# Altium PCB Bidir_Active_Rectifier-Main_Board.PcbDoc (part 3 of 3)
Units mm, origin at the board's own origin, x right, y up, seen from the top; angles counter-clockwise.
Board outline 95 x 135 mm, 2 copper layers (Top Layer, Bottom Layer), stack 1.641 mm thick; 308 components, 176 nets, 905 pads, 591 vias.
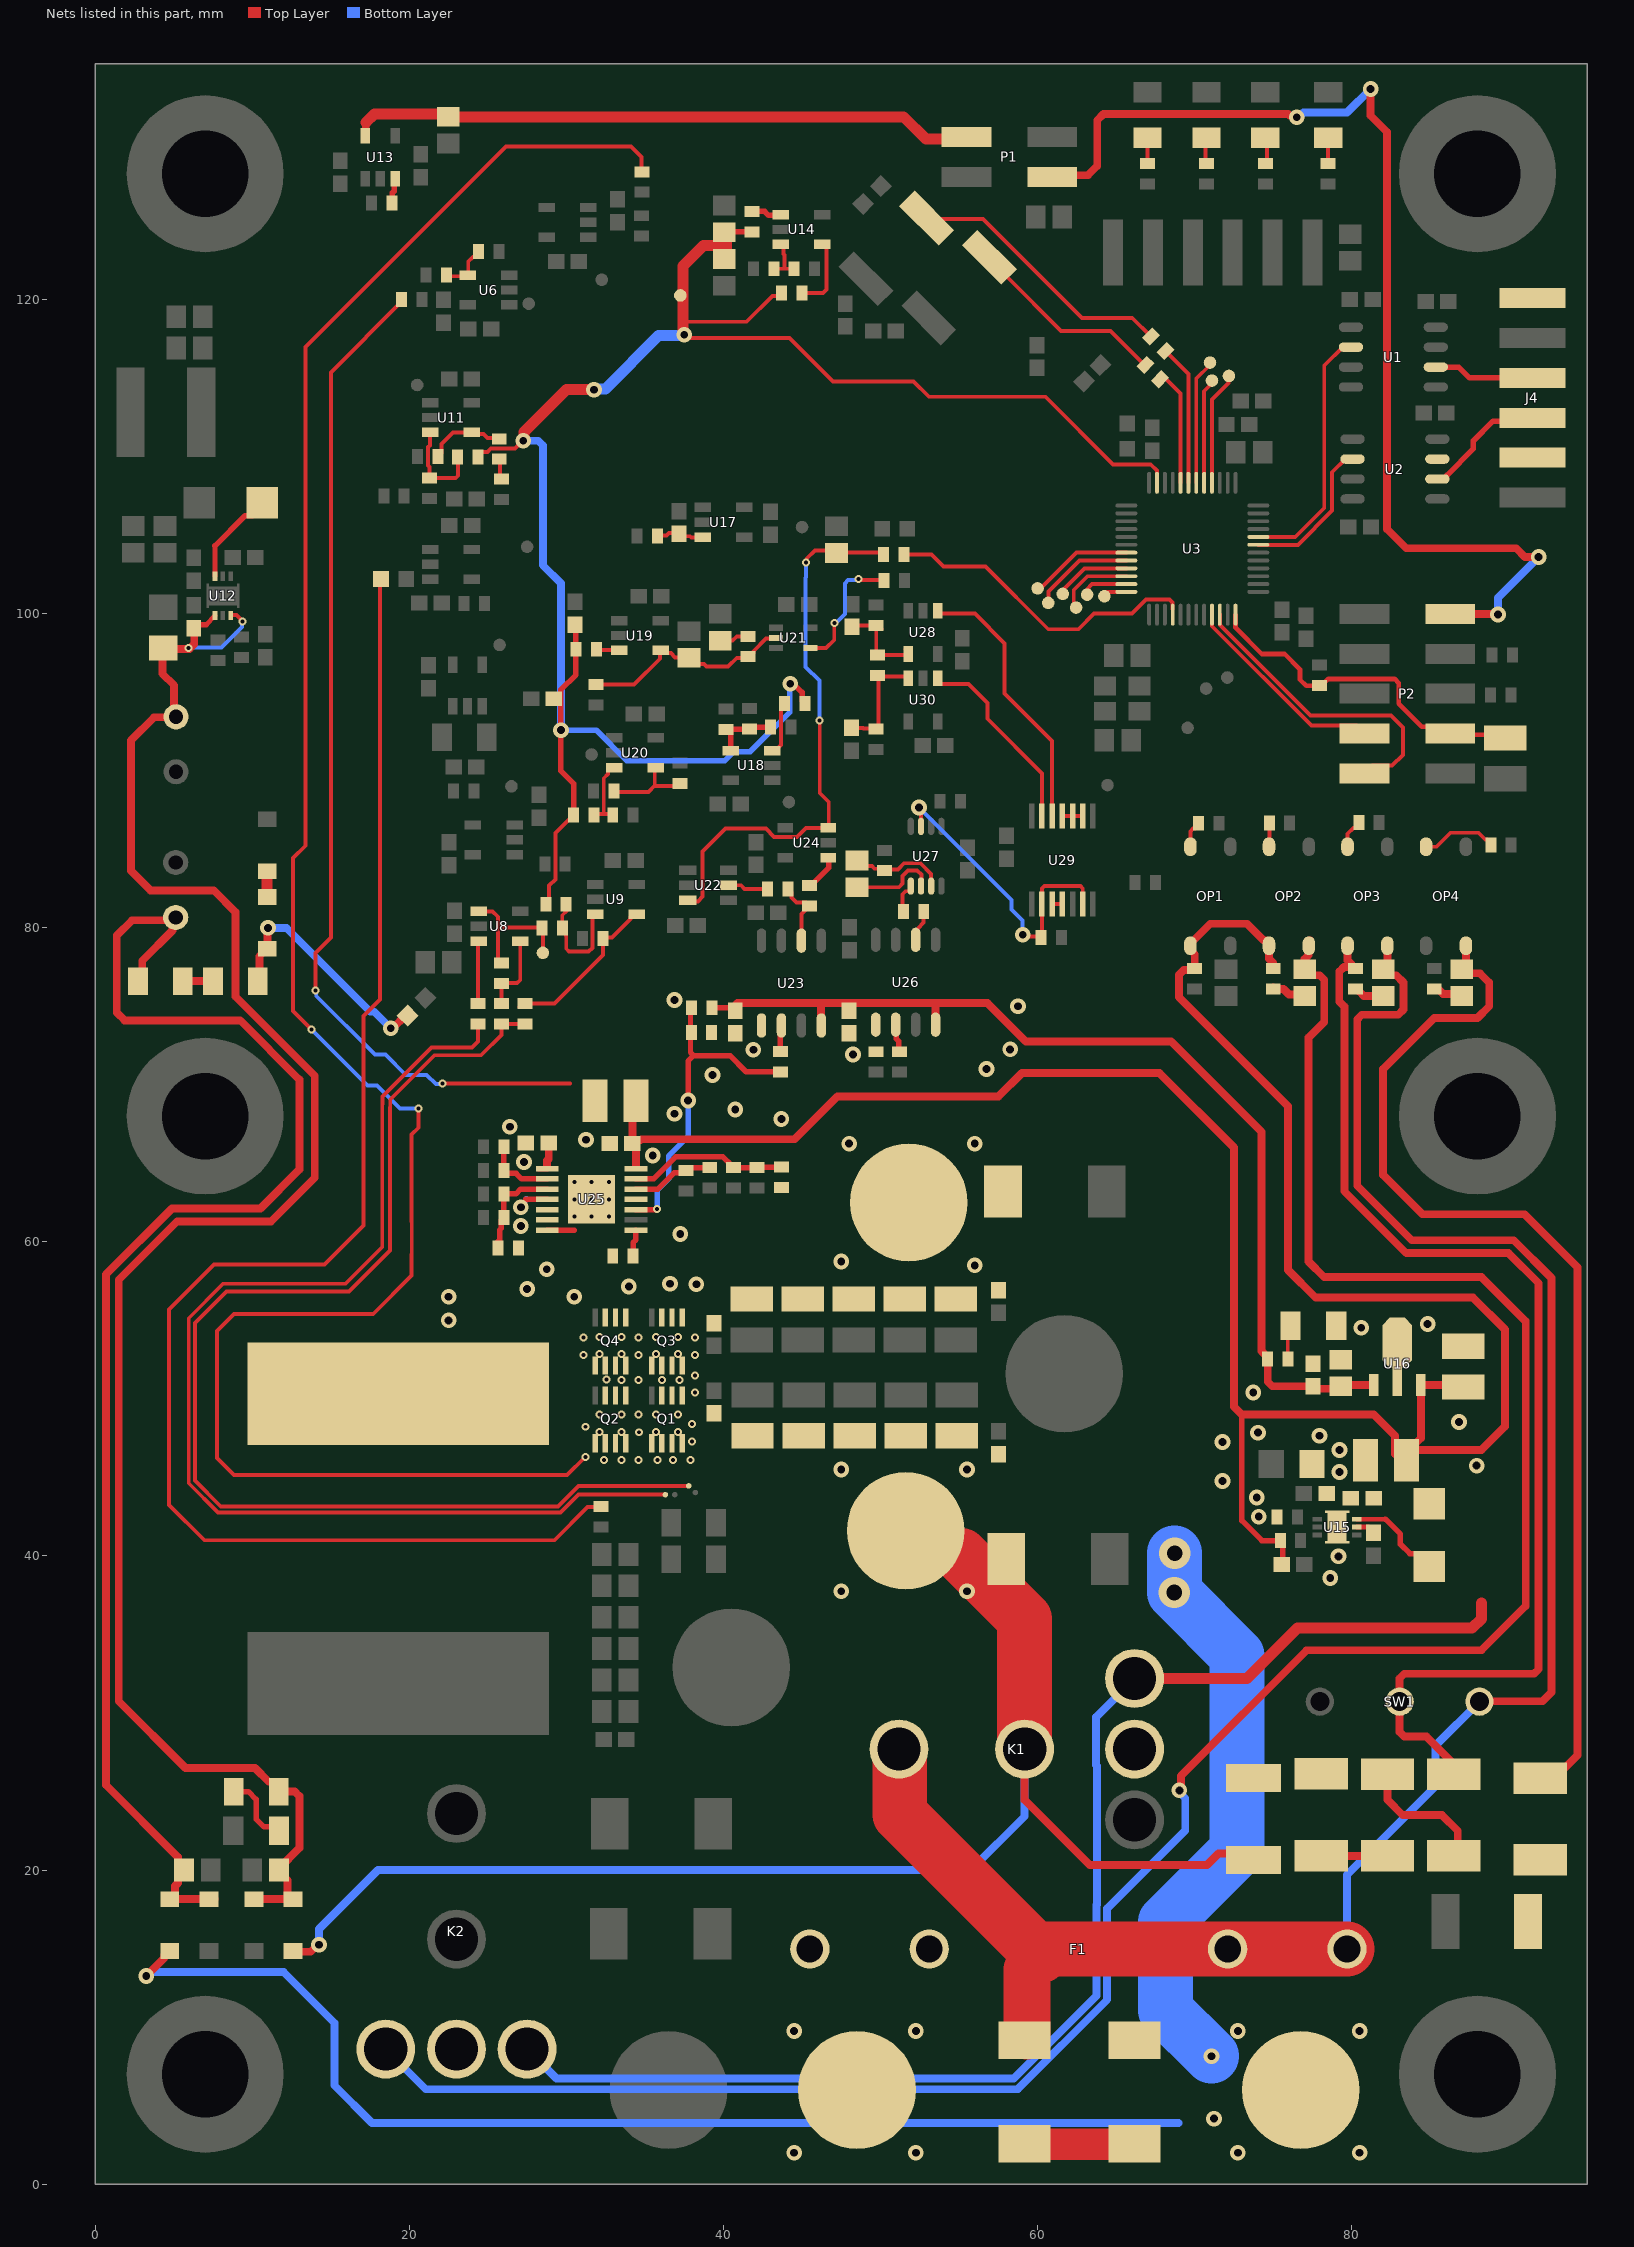
[diagram p3: the nets of this part, all layers, seen from the top]

## Via types
v1: diameter 0.508, hole 0.254, Top Layer to Bottom Layer, tented both sides, 300 vias
v2: diameter 1, hole 0.5, Top Layer to Bottom Layer, tented both sides, 283 vias
v3: diameter 1, hole 0.5, Top Layer to Bottom Layer, tented bottom, 5 vias
v4: diameter 2, hole 1, Top Layer to Bottom Layer, tented both sides, 2 vias
v5: diameter 0.508, hole 0.254, Top Layer to Bottom Layer, tented bottom, 1 vias

## Nets (pads, with @x,y where several pads share a name; then routed paths per layer and width w, separated by ;. In a path a pad name is that pad's centre, name@x,y a point inside that pad or via, vN(x,y) a via of type N, cw(c..) or ccw(c..) an arc to the next point about the centre after c; other vN are vias at no path point) (continued)
NetC84_1: C84.1 R49.1 | length 2.2
  Top Layer w0.5: R49.1@75,76.2 75.1,76.1 75.65,76.1 76,75.75 76.9,75.75 C84.1@77,75.65
NetC84_2: C84.2 K2.86 OP2.4 | length 147.2
  Top Layer w0.5: v2(69.025,25.075) 69.121,25.171 69.121,25.996 77.125,34 88.25,34 91.073,36.823 91.073,54.927 91.055,54.945 91.055,54.952 88.257,57.75 78.25,57.75 77.25,58.75 77.25,73 78.25,74 78.25,76.682 77.957,76.975 77.375,76.975 C84.2@77,77.35 ; C84.2@77,77.5 77,78 77.25,78.25 77.25,78.83 OP2.4@77.27,78.85 ; OP2.4@77.31,79.199 OP2.4@77.34,79.199
  Bottom Layer w0.5: K2.86@18.5,8.6 21.05,6.05 58.723,6.05 58.746,6.073 58.749,6.073 64.427,11.751 64.427,17.552 69.4,22.525 69.4,24.565 69.025,24.94 v2(69.025,25.075)
NetC85_1: C85.1 R54.1 | length 2
  Top Layer w0.5: R54.1@85.475,76.125 85.818,75.782 86.525,75.782 86.868,75.782 C85.1@87,75.65 ; C85.1@86.525,75.66 86.627,75.762 C85.1@86.772,75.762
NetC85_2: C85.2 OP4.4 R53.2 | length 67.9
  Top Layer w0.5: OP4.4@87.27,78.85 87.27,77.62 C85.2@87,77.35 87.255,77.095 88.155,77.095 88.75,76.5 88.75,75 88,74.25 85.25,74.25 82,71 82,64.25 84.5,61.75 91,61.75 94.369,58.381 94.369,27.313 R53.2@93.193,26.137
NetC86_1: C86.1 R55.1 | length 2
  Top Layer w0.5: R55.1@80.25,76.1 80.375,76.1 80.475,76 80.475,75.943 80.768,75.65 C86.1@82,75.65
NetC86_2: C86.2 F1.2 K1.30 OP3.4 SW1.COM TVS2.1 | length 125.7
  Top Layer w0.5: C86.2@82,77.35 82.375,76.975 82.837,76.975 83.299,76.513 83.299,74.787 82.963,74.451 80.645,74.451 80.352,74.158 80.352,63.567 83.817,60.102 90.317,60.102 92.721,57.698 92.721,31.321 92.15,30.75 SW1.COM@88.13,30.75 ; C86.2@82.27,77.62 OP3.4@82.27,78.85
  Top Layer w3: TVS2.1@59.325,9.45 59.325,13.675 60.625,14.975
  Top Layer w3.5: K1.30@51.175,27.7 51.223,27.652 51.223,23.527 60.2,14.55 ; 60.625,14.975 F1.2@72.1,14.975 F1.2@79.7,14.975
  Bottom Layer w0.5: F1.2@79.7,14.975 79.7,19.7 85.33,25.33 85.33,27.925 SW1.COM@88.13,30.725
NetC87_2: C87.2 R56.1 U17.3 | length 3
  Top Layer w0.25: R56.1@35.8,104.925 35.854,104.979 36.379,104.979 36.525,105.125 37.175,105.125 37.379,104.921 37.879,104.921 37.95,104.85 38.6,104.85 U17.3@38.625,104.825
NetC88_1: C88.1 R67.2 | length 1.9
  Top Layer w0.25: C88.1@39.8,98.2 39.875,98.275 40.575,98.275 40.846,98.546 41.546,98.546 R67.2@41.55,98.55
NetC89_1: C89.1 R62.2 R67.1 U19.4 U21.2 | length 13.7
  Top Layer w0.25: R62.2@32.075,95.475 34.3,95.475 35.946,97.121 35.946,97.696 U19.4@36,97.75 ; U19.4@36,97.65 36.175,97.475 36.65,97.475 36.925,97.2 37.85,97.2 38.254,96.796 38.754,96.796 38.925,96.625 40.3,96.625 40.846,97.171 41.496,97.171 R67.1@41.575,97.25 ; R67.1@41.625,97.325 41.75,97.325 41.9,97.475 41.9,97.6 42.71,98.41 43.31,98.41 U21.2@43.35,98.45
NetC100_2: C100.2 U25.1 | length 2.1
  Top Layer w0.35: U25.1@28.225,64.65 U25.1@28.775,64.65
  Top Layer w0.5: U25.1@28.775,64.75 28.77,64.755 28.77,65.17 28.875,65.275 C100.2@28.875,66.3
NetC109_1: C109.1 U27.6 | length 5.9
  Top Layer w0.25: C109.1@48.5,82.575 51.175,82.575 51.4,82.8 51.4,83.3 51.75,83.65 52.325,83.65 52.6,83.375 U27.6@52.6,82.4
NetC109_2: C109.2 R89.1 U27.7 | length 6.3
  Top Layer w0.25: C109.2@48.5,84.275 48.854,83.921 49.454,83.921 49.625,83.75 50.15,83.75 50.325,83.575 50.454,83.704 51.104,83.704 51.5,84.1 52.55,84.1 53.225,83.425 U27.7@53.225,82.65
NetC110_1: C110.1 R92.1 R93.2 U28.4 | length 6.2
  Top Layer w0.25: C110.1@48.175,99.15 48.275,99.25 R92.1@49.7,99.25 R92.1@49.725,99.25 ; R93.2@49.725,97.4 R92.1@49.725,99.25 ; R93.2@49.8,97.35 U28.4@51.629,97.35 ; R92.1@50.05,99.025 49.825,99.25 R92.1@49.725,99.25 ; U28.4@51.575,97.728 51.629,97.674 U28.4@51.629,97.35 ; U28.4@51.629,97.321 U28.4@51.629,97.35 ; U28.4@51.7,97.4 51.65,97.35 U28.4@51.629,97.35
NetC111_2: C111.2 R93.1 R94.2 U30.3 | length 7.1
  Top Layer w0.25: C111.2@48.125,92.8 48.2,92.725 48.875,92.725 48.925,92.675 49.6,92.675 R94.2@49.65,92.625 ; R94.2@49.7,92.65 49.875,92.825 R93.1@49.875,96 ; R93.1@49.8,96.05 49.85,96 R93.1@49.875,96 ; R93.1@49.875,96.1 R93.1@49.875,96 ; U30.3@51.8,96 R93.1@49.875,96
NetD1_1: D1.1 R6.2 | length 1.7
  Top Layer w0.25: R6.2@67,128.65 67,130.2 D1.1@67.1,130.3
NetD2_1: D2.1 R7.2 | length 1.9
  Top Layer w0.25: D2.1@70.7,130.5 70.7,128.7 R7.2@70.75,128.65
NetD3_1: D3.1 R8.2 | length 1.6
  Top Layer w0.25: R8.2@74.5,128.65 74.6,128.75 D3.1@74.6,130.2
NetD4_1: D4.1 R9.2 | length 1.8
  Top Layer w0.25: D4.1@78.4,130.4 D4.1@78.5,130.3 R9.2@78.5,128.65
NetD7_1: D7.1 D8.2 | length 1.7
  Top Layer w0.7: D8.2@10.95,81.95 D7.1@10.95,83.6 D7.1@10.95,83.625
NetD8_1: D8.1 L8.1 R38.2 | length 15.5
  Top Layer w0.5: R38.2@10.45,76.625 10.45,78.175 D8.1@10.972,78.697 ; D8.1@10.95,78.65 10.972,78.672 D8.1@10.972,78.697 ; D8.1@10.975,78.7 D8.1@10.972,78.697 ; v2(10.999,79.988) 10.972,79.961 D8.1@10.972,78.697 ; v2(18.814,73.595) 18.949,73.595 19.756,74.402 L8.1@19.894,74.402
  Bottom Layer w0.5: v2(10.999,79.988) 12.171,79.988 17.509,74.65 17.759,74.65 v2(18.814,73.595)
NetD11_2: D11.2 R39.1 | length 4.6
  Top Layer w0.35: R39.1@8.825,25 9.75,25 10.25,24.5 10.25,23.25 10.75,22.75 11.45,22.75 D11.2@11.7,22.5
NetD12_2: D12.2 R41.1 | length 2.2
  Top Layer w0.25: R41.1@75.925,52.5 75.925,54.475 D12.2@76.1,54.65
NetF1_1: F1.1 J6.1
  other v2: 44.5,2 52.25,2 44.5,9.75 52.25,9.75
NetJ4_3: J4.3 U2.6 | length 7.5
  Top Layer w0.35: U2.6@85.45,108.565 85.857,108.565 86.05,108.758 86.05,108.8 87.75,110.5 87.75,111 88.993,112.243 90.743,112.243 J4.3@91,112.5
NetJ4_4: J4.4 U1.2 | length 6
  Top Layer w0.35: U1.2@85.35,115.69 86.81,115.69 87.5,115 90.75,115 J4.4@91,115.25
NetJ8_2: J4.2
NetJ8_6: J4.6
NetK1_87A_Dummy: K1.87A
NetK2_87A_Dummy: K2.87A
NetL2_1: L2.1 NTC1.1 | length 98
  Top Layer w0.25: L2.1@18.125,102.2 18.125,75.431 17.075,74.381 17.075,74.072 17.081,74.066 17.081,73.584 17.075,73.578 17.075,61.025 14.6,58.55 7.55,58.55 4.7,55.7 4.7,43.25 6.95,41 29.245,41 31.35,43.105 32.155,43.105 NTC1.1@32.2,43.15
NetL3_1: L3.1 U12.6 | length 6.2
  Top Layer w0.3: U12.6@7.625,102.375 7.625,104.3
  Top Layer w0.35: 7.625,104.3 9.55,106.225 10,106.225 L3.1@10.75,106.975
NetL9_1: L9.1 U15.6 | length 6.5
  Top Layer w0.3: U15.6@80.311,42.34 82.146,42.34
  Top Layer w0.35: 82.146,42.34 83.1,41.386 83.1,40.744 83.701,40.143 84.532,40.143 L9.1@85.236,39.439
NetL10_1: L10.1 R96.2 | length 17.4
  Top Layer w0.25: L10.1@52.937,125.125 56.525,125.125 62.825,118.825 66.025,118.825 R96.2@67.215,117.635
NetL11_1: L11.1 R97.2 | length 11.3
  Top Layer w0.25: L11.1@57.937,121.563 61.5,118 64.65,118 66.815,115.835 R97.2@66.865,115.835
NetOP1_2: OP1.2 R44.1 | length 1.8
  Top Layer w0.25: OP1.2@69.73,85.15 69.73,86.13 69.9,86.3 70.025,86.3 70.25,86.525 R44.1@70.25,86.65
NetOP2_2: OP2.2 R45.1 | length 1.5
  Top Layer w0.25: OP2.2@74.73,85.15 74.75,85.17 R45.1@74.75,86.675
NetOP3_2: OP3.2 R46.1 | length 1.9
  Top Layer w0.25: OP3.2@79.73,85.15 79.73,85.98 80.1,86.35 80.225,86.35 80.45,86.575 R46.1@80.45,86.7
NetOP3_3: OP3.3 R52.2 R55.2 SW1.NO | length 72.7
  Top Layer w0.5: OP3.3@79.73,78.85 79.73,77.92 80.025,77.625 80.025,77.5 79.5,77.5 79.201,77.201 79.201,75.304 79.528,74.977 79.528,63.226 83.476,59.278 89.976,59.278 91.897,57.357 91.897,32.793 91.604,32.5 83.343,32.5 83.05,32.207 SW1.NO@83.05,30.725 83.05,28.793 83.343,28.5 84.75,28.5 R52.2@86.5,26.75
NetOP4_2: OP4.2 R47.1 | length 4.9
  Top Layer w0.25: OP4.2@84.73,85.15 85.4,85.15 86.293,86.043 88.057,86.043 88.5,85.6 88.625,85.6 88.85,85.375 R47.1@88.85,85.25
NetP1_1: P1.1 P2.2 | length 71.3
  Top Layer w0.5: P1.1@60.7,127.9 63.2,127.9 63.8,128.5 63.8,131.4 64.2,131.8 75.957,131.8 76.061,131.696 76.404,131.696 v2(76.5,131.6) ; v2(81.2,133.4) 81.2,131.7 82.252,130.648 82.252,105.37 83.47,104.152 90.47,104.152 91.023,103.6 v2(91.9,103.6) ; P2.2@86.268,99.977 89.223,99.977 v2@89.3,99.9
  Bottom Layer w0.5: v2(76.5,131.6) 76.635,131.6 76.935,131.9 79.7,131.9 v2(81.2,133.4) ; v2(89.307,99.932) 89.307,101.007 v2(91.9,103.6)
NetPTC1_2: PTC1.2 R50.1 | length 0.3
  Top Layer w0.5: R50.1@77.515,25.865 R50.1@77.75,26.1
NetPTC2_2: PTC2.2 R53.1
NetR15_1: R15.1 R16.2 U6.4 | length 3.1
  Top Layer w0.25: R15.1@22.425,121.475 23.5,121.475 23.75,121.725 23.75,122.4 24.05,122.7 24.175,122.7 24.4,122.925 R16.2@24.4,123.05
NetR17_1: R17.1 R19.2 U9.3 | length 7.1
  Top Layer w0.25: R19.2@29.735,79.967 29.735,80.017 29.735,80.792 30.01,81.067 R17.1@30.01,81.442 ; R19.2@29.75,80 29.96,79.79 29.96,79.501 29.99,79.471 29.99,78.66 30.175,78.475 31.417,78.475 31.652,78.71 31.652,80.677 U9.3@31.825,80.85
NetR18_2: R18.2 U8.3 | length 4
  Top Layer w0.25: R18.2@24.36,75.167 24.36,78.992 U8.3@24.51,79.142
NetR19_1: pad.19 R19.1 R22.2 U8.1 | length 9
  Top Layer w0.25: U8.1@24.41,81.042 25.285,81.042 25.635,80.692 25.635,80.014 ; R22.2@25.86,77.817 25.785,77.817 25.635,77.967 25.635,80.014 ; R19.1@28.435,79.967 28.5,79.967 pad.19@28.5,78.4 ; R19.1@28.585,80.014 25.635,80.014
NetR21_2: R21.2 R22.1 U8.4 | length 5.1
  Top Layer w0.25: R21.2@25.86,75.192 25.86,76.367 25.785,76.442 25.81,76.467 26.86,76.467 27.06,76.667 U8.4@27.06,79.142
NetR23_2: R23.2 R24.1 U9.4 | length 10.5
  Top Layer w0.25: R23.2@27.01,74.942 27.235,75.167 29.242,75.167 32.325,78.25 R24.1@32.325,79.3 32.404,79.379 32.904,79.379 34.075,80.55 34.075,80.675 34.325,80.925 U9.4@34.35,80.925
NetR26_2: R26.2 R27.1 U11.3 | length 6.3
  Top Layer w0.25: U11.3@21.35,111.55 21.304,111.504 21.304,110.696 21.198,110.59 21.198,109.41 21.275,109.333 R27.1@21.275,108.625 22.954,108.625 23.1,108.771 R26.2@23.1,110.125
NetR28_1: R28.1 R29.2 | length 1.2
  Top Layer w0.25: R29.2@25.725,109.825 25.775,109.775 R28.1@25.775,108.625
NetR29_1: R29.1 R30.2 U11.4 | length 5.1
  Top Layer w0.25: R30.2@21.825,110 22.05,110.225 22.05,110.496 22.05,110.8 22.775,111.525 24.1,111.525 24.204,111.421 24.729,111.421 24.975,111.175 25.825,111.175 R29.1@25.85,111.15
NetR33_1: R33.1 U13.3 | length 1.6
  Top Layer w0.35: R33.1@18.9,126.125 18.925,126.15 18.925,126.775 19.041,126.891 19.041,127.591 U13.3@19.125,127.675
NetR34_1: R34.1 R36.2 U14.3 | length 2.9
  Top Layer w0.25: R36.2@43.225,121.95 43.875,121.95 ; U14.3@43.65,123.5 43.695,123.5 43.82,123.375 43.82,122.88 43.875,122.825 43.875,121.95 ; R34.1@44.5,121.95 43.875,121.95
NetR35_2: R35.2 U14.1 | length 2
  Top Layer w0.35: R35.2@41.825,125.6 42.625,125.6 42.875,125.35 43.55,125.35 U14.1@43.65,125.45
NetR37_2: R37.2 U14.4 | length 4.7
  Top Layer w0.25: R37.2@45,120.4 46.325,120.4 46.55,120.625 46.55,123.325 46.375,123.5 U14.4@46.275,123.5
NetR38_1: R38.1 R40.2 | length 2
  Top Layer w0.5: R40.2@5.575,76.6 R38.1@7.5,76.6 ; R38.1@7.35,76.95 R38.1@7.4,77
NetR50_2: R50.2 R51.1 | length 3.9
  Top Layer w0.5: R50.2@77.75,20.9 R51.1@81.65,20.9
NetR51_2: R51.2 R52.1 | length 8.7
  Top Layer w0.5: R51.2@82.275,26.1 82.275,24.475 83.25,23.5 85.75,23.5 86.75,22.5 R52.1@86.75,20.75
NetR57_1: R57.1 U18.3 | length 3
  Top Layer w0.25: U18.3@43.35,91.3 43.673,91.623 43.673,93.365 43.675,93.367 R57.1@43.675,94.125
NetR58_1: R58.1 U19.3 | length 1.5
  Top Layer w0.25: R58.1@31.9,97.725 31.95,97.675 U19.3@33.35,97.675
NetR59_1: R59.1 R60.2 U20.3 | length 4.6
  Top Layer w0.25: R59.1@31.825,87.225 32.375,87.225 32.375,89.514 32.644,89.783 32.644,90.008 32.819,90.183 U20.3@33.044,90.183 ; 32.329,87.225 R60.2@32.975,87.225
NetR61_1: R61.1 R65.1 R66.2 U18.4 | length 4.4
  Top Layer w0.35: R61.1@40.15,92.625 40.325,92.625 41.625,92.625 41.775,92.775 R66.2@43,92.775 R66.2@43.075,92.775 ; R61.1@40.275,92.575 40.325,92.575 40.45,92.45 40.45,92.245 U18.4@40.45,91.275
NetR63_2: R63.2 R64.1 U20.4 | length 5.6
  Top Layer w0.25: R64.1@32.975,88.65 35.225,88.65 35.625,89.05 U20.4@35.625,90.275 ; 35.625,89.075 35.675,89.025 R63.2@37.2,89.025
NetR68_2: R68.2 U21.4 | length 8.4
  Top Layer w0.25: U21.4@45.575,97.775 U21.4@45.55,97.8 46.525,97.8 47.05,98.325 47.05,99.375 v1(47.075,99.4) ; v1(48.6,102.2) 48.675,102.125 R68.2@50.275,102.125
  Bottom Layer w0.25: v1@47.075,99.33 47.274,99.529 47.279,99.529 47.725,99.975 47.725,101.917 47.936,102.127 48.527,102.127 v1(48.6,102.2)
NetR69_1: R69.1 U22.5 | length 2.7
  Top Layer w0.25: U22.5@40.325,82.7 41.125,82.7 41.35,82.475 R69.1@42.8,82.475 R69.1@42.925,82.475
NetR69_2: R69.2 R72.2 U23.2 | length 4.4
  Top Layer w0.25: R69.2@44.1,82.475 44.325,82.25 44.325,81.925 44.65,81.6 45.25,81.6 R72.2@45.475,81.375 ; U23.2@44.96,79.175 44.96,80.86 R72.2@45.425,81.325
NetR70_1: R70.1 U23.6 | length 1
  Top Layer w0.35: R70.1@43.625,72.125 U23.6@43.625,73.167
NetR72_1: R72.1 U24.1 | length 2
  Top Layer w0.35: R72.1@45.75,82.875 46.705,83.83 46.705,84.38 U24.1@46.775,84.45
NetR73_1: R73.1 R75.1 R77.2 U25.13 | length 10.2
  Top Layer w0.35: U25.13@34.425,64 35.55,64 36.975,65.425 39.95,65.425 40.325,65.05 40.325,64.9 40.45,64.775 R73.1@40.65,64.775 ; R73.1@40.625,64.725 R75.1@42.125,64.725 ; R75.1@42.2,64.7 42.25,64.75 R77.2@43.7,64.75
NetR74_1: R74.1 R76.1 U25.12 | length 5
  Top Layer w0.35: U25.12@34.425,63.35 35.825,63.35 36.879,64.404 37.504,64.404 R74.1@37.65,64.55 ; R74.1@37.8,64.7 R76.1@39.1,64.7
NetR78_2: R78.2 R81.2 U25.2 | length 4.5
  Top Layer w0.35: R78.2@26.025,66.05 26.025,64.53 26.2,64.355 26.795,64.355 27.15,64 U25.2@28.775,64
NetR79_2: R79.2 R83.2 R85.2 U25.3 | length 6.1
  Top Layer w0.35: R85.2@25.625,60 25.75,60.125 25.75,60.75 25.85,60.85 25.85,61.375 R83.2@26.025,61.55 R79.2@26.025,63.05 26.79,63.05 27.09,63.35 U25.3@28.775,63.35
NetR84_2: R84.2 U25.8 | length 1.7
  Top Layer w0.35: R84.2@34.25,59.1 34.25,59.95 34.425,60.125 U25.8@34.425,60.75
NetR87_1: R87.1 U27.5 | length 1.9
  Top Layer w0.25: R87.1@51.4,81.075 51.4,82.125 51.593,82.318 51.856,82.318 51.925,82.388 U27.5@51.925,82.65
NetR87_2: R87.2 U26.2 | length 2.2
  Top Layer w0.25: U26.2@52.3,79.05 52.3,79.86 52.375,79.935 52.375,79.95 52.746,80.321 52.746,81.021 R87.2@52.75,81.025
NetR88_1: R88.1 U26.6 | length 1.7
  Top Layer w0.35: U26.6@50.925,73.9 51.013,73.812 51.013,72.912 51.155,72.77 R88.1@51.155,72.275
NetR91_2: R91.2 U27.3 U29.9 U29.13 | length 20.1
  Top Layer w0.25: v2(52.45,87.65) 52.575,87.525 U27.3@52.575,86.45 ; v2@59.05,79.45 60.25,79.45 60.275,79.475 U29.9@60.275,81.5 60.277,81.502 60.277,82.504 60.423,82.65 62.727,82.65 62.873,82.504 62.873,81.502 U29.13@62.875,81.5
  Bottom Layer w0.25: v2(52.45,87.65) 58.35,81.75 58.35,81.15 59.05,80.45 v2(59.05,79.55)
NetTP1_1: TP1.1 U3.40 | length 7.3
  Top Layer w0.25: U3.40@71.1,108.325 71.1,113.631 72.15,114.681 TP1.1@72.15,115.2
NetTP2_1: TP2.1 U3.41 | length 6.8
  Top Layer w0.25: U3.41@70.6,108.325 70.6,114.15 TP2.1@71.277,114.827
NetTP3_1: TP3.1 U3.42 | length 7.8
  Top Layer w0.25: U3.42@70.1,108.325 70.1,114.95 TP3.1@70.925,115.775
NetTP4_1: TP4.1 U3.7 | length 6.3
  Top Layer w0.25: TP4.1@60.248,101.648 62.475,103.875 U3.7@65.65,103.875
NetTP5_1: TP5.1 U3.8 | length 6.4
  Top Layer w0.25: TP5.1@60.7,100.8 60.698,100.802 60.698,101.398 62.675,103.375 U3.8@65.65,103.375
NetTP6_1: TP6.1 U3.9 | length 4.9
  Top Layer w0.25: TP6.1@61.6,101.2 61.705,101.305 61.705,101.605 62.975,102.875 U3.9@65.65,102.875
NetTP7_1: TP7.1 U3.10 | length 4.7
  Top Layer w0.25: TP7.1@62.3,100.6 62.3,101.5 63.175,102.375 U3.10@65.65,102.375 ; TP7.1@62.45,100.275 TP7.1@62.45,100.375
NetTP8_1: TP8.1 U3.11 | length 3
  Top Layer w0.25: TP8.1@62.951,101.3 63.105,101.454 63.105,101.505 63.475,101.875 U3.11@65.65,101.875 ; TP8.1@63.05,101.3 TP8.1@63.101,101.3
NetTP9_1: TP9.1 U3.12 | length 1.6
  Top Layer w0.25: TP9.1@64.149,101.2 64.274,101.2 64.449,101.375 U3.12@65.65,101.375
NetTVS2_2: TVS2.2 TVS5.1 | length 7.3
  Top Layer w0.5: TVS5.1@66.375,2.575 TVS5.1@66.425,2.625
  Top Layer w2: TVS2.2@59.325,2.55 TVS5.1@66.525,2.55
NetU2_7: U2.7
NetU24_5: U25.5
NetU24_6: U25.6
NetU28_1: U28.1 U29.5 | length 17.2
  Top Layer w0.25: U28.1@53.717,100 56,100 57.896,98.104 57.896,94.904 60.925,91.875 U29.5@60.925,87.1
NetU29_2: U29.2 U29.3 U29.4 | length 1.3
  Top Layer w0.25: U29.4@61.575,87.1 U29.3@62.225,87.1 62.85,87.1 U29.2@62.875,87.075
NetU29_6: U29.6 U30.1 | length 12.5
  Top Layer w0.25: U30.1@53.569,95.7 53.769,95.5 55.6,95.5 56.8,94.3 56.8,93.3 60.275,89.825 U29.6@60.275,87.1
NetU29_10: U29.10 U29.11 | length 0.7
  Top Layer w0.25: U29.10@60.9,81.525 U29.10@60.925,81.5 U29.11@61.575,81.5
nRESET: C26.2 P2.8 R5.1 U3.24 | length 22.2
  Top Layer w0.3: U3.24@72.6,99.925 72.6,99.1 74.277,97.423 75.727,97.423 76.7,96.45 76.7,95.8 77.1,95.4 R5.1@78.025,95.4 ; R5.1@78.1,95.425 78.509,95.834 82.74,95.834 83,95.574 83,94.25 84.451,92.799 85.826,92.799 P2.8@86.268,92.357 ; P2.8@86.006,92.383 86.107,92.282 89.457,92.282 C26.2@89.482,92.257
PWM: R70.2 R80.1 R82.2 U25.10 | length 21.2
  Top Layer w0.35: U25.10@34.425,62.05 35.682,62.05 35.732,62.1 v1(35.775,62.1) ; v2(37.75,69) 37.75,71.5 38.1,71.85 ; R80.1@37.9,74.925 37.9,72.055 38.105,71.85 40.425,71.85 41.45,70.825 R70.2@43.625,70.825
  Bottom Layer w0.35: v1(35.775,62.1) 35.775,63.275 36.5,64 36.5,65.457 37.75,66.707 v2(37.75,69)
PWM_Carrier: C99.2 R71.2 U22.3 U24.3 | length 35.9
  Top Layer w0.25: U22.3@37.875,81.725 37.925,81.675 38.375,81.675 38.675,81.975 38.675,84.85 40.125,86.3 42.7,86.3 43.227,85.773 44.673,85.773 45.25,86.35 U24.3@46.675,86.35 ; v1(45.25,103.25) 45.299,103.299 45.299,103.499 45.825,104.025 C99.2@47.225,104.025 ; v5(46.1,93.2) 46.127,93.173 46.127,88.573 46.7,88 U24.3@46.7,86.4 ; C99.2@47.2,104 47.325,103.875 50.075,103.875 R71.2@50.2,103.75
  Bottom Layer w0.25: v1(45.25,103.25) 45.256,103.244 45.256,102.31 45.225,102.279 45.225,96.6 46.1,95.725 v5(46.1,93.2)
PWM_CARRIER_SQ: R71.1 U3.16 | length 20.3
  Top Layer w0.25: R71.1@51.5,103.75 53.25,103.75 54,103 56.675,103 60.675,99 62.6,99 63.6,100 66,100 66.902,100.902 68.277,100.902 68.279,100.9 68.4,100.9 68.591,100.709 68.591,100.309 U3.16@68.6,100.3
PWM_d_FF: R97.1 U3.44 | length 7.2
  Top Layer w0.25: R97.1@67.988,115.113 69.1,114 U3.44@69.1,108.325
PWM_i_SP: R96.1 U3.43 | length 9
  Top Layer w0.25: R96.1@68.135,116.715 69.6,115.25 U3.43@69.6,108.325
Reg_Out: C63.2 P1.4 U13.5 | length 40.3
  Top Layer w0.5: U13.5@17.2,130.425 17.225,130.45 17.225,131.25
  Top Layer w0.7: 17.225,131.25 17.775,131.8 22.3,131.8 C63.2@22.475,131.625 51.475,131.625 52.9,130.2 P1.4@55.8,130.2
Shunt_+: NT1.0 R18.1 | length 74.6
  Top Layer w0.25: R18.1@24.287,73.867 R18.1@24.36,73.867 24.36,72.76 23.977,72.377 21.399,72.377 18.281,69.26 18.281,68.784 18.273,68.775 18.273,59.659 15.941,57.327 8.149,57.327 5.955,55.133 5.955,44.629 7.827,42.757 29.626,42.757 30.769,43.9 NT1.0@36.3,43.9
Shunt_-: NT2.0 R21.1 R23.1 | length 77.6
  Top Layer w0.25: R23.1@27.335,73.867 R21.1@25.86,73.867 25.86,73.16 24.575,71.875 21.607,71.875 18.784,69.052 18.784,68.576 18.775,68.567 18.775,59.451 16.149,56.825 8.357,56.825 6.357,54.825 6.357,44.796 7.994,43.16 29.46,43.16 30.762,44.462 NT2.0@37.788,44.462
UART0_RXD: P2.9 U3.22 | length 19.7
  Top Layer w0.25: U3.22@71.6,99.925 71.61,99.915 71.61,99.261 77.371,93.5 82.5,93.5 83.25,92.75 83.25,91 82.563,90.313 81.303,90.313 P2.9@80.807,89.817
UART0_TXD: P2.7 U3.21 | length 13.3
  Top Layer w0.25: U3.21@71.1,99.925 71.11,99.915 71.11,99.192 77.435,92.867 80.297,92.867 P2.7@80.807,92.357
UART1_RXD: U1.6 U3.32 | length 16.1
  Top Layer w0.25: U3.32@74.05,104.875 76.4,104.875 78.25,106.725 78.25,115.781 79.469,117 U1.6@79.75,117 ; U1.6@79.75,116.95 U1.6@79.8,117
UART1_TXD: U2.2 U3.31 | length 9.7
  Top Layer w0.25: U3.31@74.05,104.375 76.575,104.375 78.75,106.55 78.75,108.996 79.589,109.835 U2.2@80.05,109.835
V+_Const: C52.2 C53.1 C67.1 C68.2 D5.1 D6.1 R39.2 U12.1 U12.3 | length 119.3
  Top Layer w0.254: U12.3@8.751,99.9 8.757,99.894 9.006,99.894 9.375,99.525 v1(9.375,99.5)
  Top Layer w0.3: 7.07,99.295 U12.1@7.625,99.85
  Top Layer w0.35: C53.1@6.275,99.075 6.495,99.295 7.07,99.295
  Top Layer w0.5: C67.1@5.175,93.4 3.75,93.4 2.275,91.925 2.275,83.625 3.525,82.375 7.55,82.375 8.925,81 8.925,75.625 13.975,70.575 13.975,64.075 11.199,61.299 5.224,61.299 1.5,57.575 1.5,30.75 5.75,26.5 10.175,26.5 11.05,25.625 11.3,25.625 11.675,25.25 R39.2@11.675,25 12.707,25 13,24.707 13,21.4 11.7,20.1 C68.2@11.7,20 11.7,19.9 12.25,19.35 12.25,18.4 D5.1@12.5,18.15 ; C67.1@5.2,93.475 5.025,93.65 5.025,95.425 4.275,96.175 4.275,97.75 6,97.75 6.307,98.057 6.307,99.043 C53.1@6.275,99.075 ; D6.1@10.1,18.15 D5.1@12.5,18.15 ; D5.1@12.6,18.15 D5.1@12.5,18.15
  Bottom Layer w0.254: v1@5.975,97.825 8.05,97.825 9.355,99.13 9.355,99.48 v1(9.375,99.5)
  other v1: 5.95,97.8
V-_Const: C72.2 C73.1 D9.2 D10.2 R40.1 | length 92.8
  Top Layer w0.5: R40.1@2.575,76.95 R40.1@2.843,77.218 ; R40.1@2.993,76.868 2.993,77.893 4.915,79.815 4.915,80.44 C72.2@4.95,80.475 ; D10.2@4.75,18.15 4.83,18.15 5.08,18.4 5.08,18.98 5.275,19.175 5.275,19.525 5.65,19.9 5.275,20.275 5.275,20.825 0.676,25.424 0.676,57.916 4.883,62.123 10.523,62.123 13,64.6 13,70.325 9.225,74.1 1.875,74.1 1.375,74.6 1.375,79.5 2.35,80.475 C72.2@4.95,80.475 ; C72.2@5.125,80.65 C72.2@4.95,80.475 ; D10.2@5.2,18.15 D9.2@7.25,18.15 D9.2@7.6,18.15
V_SW: C100.1 L1.2 Q1.1 Q1.2 Q1.3 Q2.1 Q2.2 Q2.3 Q3.5 Q3.6 Q3.7 Q3.8 Q4.5 Q4.6 Q4.7 Q4.8 R85.1 U25.4 | length 1.5
  Top Layer w0.35: v2@26.925,62.125 v2@26.925,62.15 ; 27.4,62.725 27.425,62.7 27.45,62.7 ; 27.45,62.675 27.45,62.7 ; U25.4@28.775,62.7 27.45,62.7
  Bottom Layer w0.35: v2@26.925,62.125 v2@26.925,62.15 ; 27.45,62.675 27.45,62.743
  other v1: 38.2,50.4 33.5,51.2 34.6,51.2 36.1,51.2 37.2,51.2 32.55,51.225 38.2,51.5 31.1,52.8 34.6,52.8 38.2,52.8 32.1,52.845 33.5,52.845 35.7,52.845 37.1,52.845 31.1,53.9 34.6,53.9 38.2,53.9 32.1,53.945 33.5,53.945 35.7,53.945 37.1,53.945
  other v2: 22.5,55 22.5,56.5 27.5,57 28.75,58.25 27.1,61 27.1,62.2 27.3,65.075 26.4,67.325
VBUS+: C1.2 C2.2 C3.2 C4.2 C5.2 C6.2 C7.2 D5.2 J1.1 K1.87 PTC1.1 Q1.5 Q1.6 Q1.7 Q1.8 Q2.5 Q2.6 Q2.7 Q2.8 R10.2 TVS1.1 | length 227.7
  Top Layer w0.25: v1(13.766,73.526) 12.604,74.688 12.604,84.433 13.386,85.214 13.386,116.961 26.15,129.725 34.125,129.725 34.775,129.075 34.775,128.225 R10.2@34.825,128.175 ; v1(20.575,68.475) 20.575,67.26 20.147,66.832 20.147,61.288 20.153,61.282 20.153,59.188 20.147,59.182 20.147,57.847 17.7,55.4 8.841,55.4 7.753,54.312 7.753,53.718 7.747,53.712 7.747,53.088 7.751,53.084 7.751,51.116 7.747,51.112 7.747,50.488 7.751,50.484 7.751,48.516 7.747,48.512 7.747,47.888 7.751,47.884 7.751,46.224 8.825,45.15 30.05,45.15 v1(31.2,46.3)
  Top Layer w0.5: D5.2@12.6,14.85 12.65,14.8 13.726,14.8 14.176,15.25 v2(14.25,15.25) ; K1.87@59.175,27.7 59.175,24.461 63.316,20.32 70.783,20.32 71.52,21.057 74.391,21.057 PTC1.1@74.415,21.032
  Top Layer w3.5: 55.125,40.025 59.175,35.975 K1.87@59.175,27.7
  Bottom Layer w0.25: v1(13.766,73.526) 17.342,69.95 17.951,69.95 19.413,68.487 20.563,68.487 v1(20.575,68.475)
  Bottom Layer w0.5: v2(14.25,15.25) 14.25,16.25 18,20 55.75,20 59.175,23.425 K1.87@59.175,27.7
  other v1: 32.4,46.1 33.5,46.1 34.6,46.1 35.8,46.1 36.8,46.1 37.9,46.1 38,47.3 34.625,47.875 32.1,47.9 33.5,47.9 35.7,47.9 37.1,47.9 31.225,48.225 38,48.4 32.1,49 33.5,49 34.6,49 35.7,49 37.1,49
  other v2: 47.5,37.75 55.5,37.75 47.5,45.5 55.5,45.5
VBUS-: C15.1 C16.1 C17.1 C18.1 C19.1 C20.1 C21.1 C74.1 C75.1 C76.1 C77.1 C78.1 C79.1 C80.1 C81.1 C98.1 C101.1 C102.1 C108.1 D10.1 D12.1 J3.1 J8.1 K1.85 K2.85 Q3.1 Q3.2 Q3.3 Q4.1 Q4.2 Q4.3 R14.2 R43.1 R77.1 R82.1 R84.1 R86.1 TVS5.2 TVS6.2 U15.5 U15.7 U16.2 U23.5 U25.7 U25.11 U25.15 U26.5 | length 264.3
  Top Layer w0.25: v1(14.022,76.002) 14.022,78.4 15,79.378 15,115.35 R14.2@19.475,119.825 ; v1(22.108,70.065) 22.118,70.075 30.215,70.075
  Top Layer w0.3: U15.5@80.311,41.84 C76.1@81.057,41.84
  Top Layer w0.35: U25.7@28.775,60.75 30.5,60.75 ; C76.1@81.057,41.84 81.375,41.521 C76.1@81.375,41.471
  Top Layer w0.5: v2(3.25,13.25) 4.4,14.4 4.4,14.6 4.65,14.85 D10.1@4.75,14.85
  Top Layer w0.7: TVS5.2@66.175,9.175 TVS5.2@66.225,9.125 ; K1.85@66.175,32.2 73.338,32.2 76.543,35.405 87.668,35.405 88.25,35.987 88.25,37.011
  Bottom Layer w0.25: v1(14.022,76.002) 14.072,75.953 14.072,75.661 17.81,71.923 18.475,71.923 19.772,70.625 21.099,70.625 21.689,70.035 22.078,70.035 v1(22.108,70.065)
  Bottom Layer w0.5: v2(3.25,13.25) 3.385,13.25 3.635,13.5 12,13.5 15.225,10.275 15.225,6.3 17.625,3.9 68.979,3.9 ; K2.85@27.5,8.6 29.375,6.725 58.479,6.725 63.75,11.996 63.75,17.794 63.775,17.819 63.775,26.637 63.726,26.686 63.726,29.751 K1.85@66.175,32.2
  Bottom Layer w3.5: v4(68.725,40.175) 68.725,37.7 v4(68.7,37.675) 72.7,33.675 72.7,21.275 72.45,21.025 72.45,20.984 68.15,16.684 68.15,11.075 v2(71.075,8.15)
  other v1: 30.5,61.6 31.6,61.6 32.7,61.6 30.5,62.7 31.6,62.7 32.7,62.7 30.5,63.8 31.6,63.8 32.7,63.8
  other v2: 72.75,2 80.5,2 71.225,4.175 72.75,9.75 80.5,9.75 78.635,38.589 79.15,39.975 74.075,42.5 73.95,43.725 71.775,44.775 79.225,45.35 87.95,45.75 79.225,46.75 71.775,47.25 77.95,47.65 74.025,47.85 86.83,48.522 73.725,50.4 80.6,54.525 84.83,54.772 30.5,56.5 33.975,57.15 38.275,57.3 36.6,57.325 56,58.5 47.5,58.75 37.25,60.5 35.5,65.5 48,66.25 56,66.25 31.25,66.5 43.685,67.821 36.875,68.15 40.75,68.425 39.3,70.625 56.75,71 48.25,71.925 41.9,72.225 58.25,72.25 58.75,75 36.875,75.4
VBUS-_+5V: C80.2 C81.2 C98.2 C108.2 R41.2 R80.2 U16.1 U23.8 U26.8 | length 64.5
  Top Layer w0.35: R80.2@39.275,74.9 40.625,74.9 C108.2@40.7,74.825 ; 56.25,75.2 56.25,75.25
  Top Layer w0.5: C108.2@40.8,75.1 40.9,75.2 46.2,75.2 ; U23.8@46.205,73.7 46.205,75.195 46.2,75.2 ; U26.8@53.505,73.7 53.505,75.195 53.5,75.2 ; C80.2@79.275,50.875 U16.1@81.4,50.875 ; C80.2@79.3,50.8 79.143,50.643 77.682,50.643 C81.2@77.525,50.8 74.943,50.8 74.65,51.093 74.65,52.65 74.55,52.75 74.543,52.75 74.25,53.043 74.25,67 68.5,72.75 59.25,72.75 56.8,75.2 56.25,75.2 53.5,75.2 ; 46.2,75.2 53.5,75.2
VBUS-_+12V: C74.2 C75.2 C79.2 C82.1 C101.2 C102.2 L9.2 OP1.3 OP2.3 R42.2 R48.2 R49.2 U16.3 U25.14 | length 154.7
  Top Layer w0.35: 73,49 73,42.25 74.275,40.975 R42.2@75.45,40.975 ; C82.1@75.536,39.465 75.611,39.54 R42.2@75.611,40.965 ; C79.2@81.4,43.675 C79.2@81.575,43.5 ; L9.2@84.75,43.5 L9.2@84.925,43.325
  Top Layer w0.5: C102.2@34.2,68.75 C101.2@34.2,66.25 ; C102.2@34.2,69.75 34.425,69.975 C102.2@34.582,69.818 ; U25.14@34.425,64.8 34.425,66.025 C101.2@34.2,66.25 ; R49.2@75,77.425 75,77.75 74.73,78.02 OP2.3@74.73,78.85 74.73,78.969 74.499,79.2 74.38,79.2 73.33,80.25 71,80.25 69.75,79 69.75,78.549 70,78.299 R48.2@70,77.4 69.9,77.3 69.3,77.3 69,77 69,75.577 75.945,68.632 75.945,58.21 77.71,56.445 87.716,56.445 89.75,54.412 89.75,48.25 88.25,46.75 83.575,46.75 84.025,47.2 84.107,47.2 84.4,47.493 U16.3@84.4,50.875 C75.2@86.925,50.875 ; C74.2@82.75,46.5 82.75,47.65 81.4,49 73,49 72.5,49.5 72.5,66 67.75,70.75 59,70.75 57.5,69.25 47.25,69.25 44.525,66.525 34.768,66.525 34.718,66.475 34.425,66.475 C101.2@34.2,66.25
Vmid: C65.1 C66.1 C70.2 C71.2 pad.8 R17.2 R26.1 R35.1 R37.1 R57.2 R58.2 R59.2 U3.47 | length 128.7
  Top Layer w0.25: R26.1@24.375,109.975 24.375,110.065 24.6,110.29 24.973,110.29 25.18,110.498 26.315,110.498 26.317,110.5 26.729,110.5 27.229,111 v2(27.25,111) ; R17.2@28.7,81.4 28.9,81.6 28.9,82.68 29.3,83.08 29.3,83.458 29.298,83.46 29.298,84.64 29.3,84.642 29.3,86.025 R59.2@30.475,87.2 ; 37.275,118.575 37.425,118.575 41.475,118.575 43.121,120.221 43.521,120.221 R37.1@43.7,120.4 ; v2@37.55,117.55 44.2,117.55 46.975,114.775 52.1,114.775 53.075,113.8 60.5,113.8 64.8,109.5 67.2,109.5 67.59,109.11 67.59,108.335 U3.47@67.6,108.325
  Top Layer w0.35: R59.2@30.475,87.2 30.475,89.15 29.65,89.975 29.65,95.15 30.6,96.1 R58.2@30.6,97.725 30.6,99.2 C65.1@30.5,99.3 ; C66.1@40.225,124.3 R35.1@41.825,124.3 ; v2(44.25,95.525) 44.374,95.401 44.584,95.401 45.009,94.976 45.009,94.441 R57.2@45.175,94.275
  Top Layer w0.7: v2(27.25,111) 27.307,111.057 27.307,111.557 30,114.25 v2(31.75,114.25) ; v2(37.5,117.75) 37.443,117.807 37.443,118.02 37.425,118.037 37.425,118.575 37.425,122.125 38.725,123.425 40.05,123.425
  Top Layer w1: C71.2@40.05,122.575 40.05,123.425 C66.1@40.05,124.275
  Bottom Layer w0.35: v2(29.65,92.575) 31.9,92.575 33.85,90.625 40.075,90.625 40.65,91.2 41.7,91.2 44.225,93.725 v2@44.225,95.55
  Bottom Layer w0.5: v2(27.25,111) 28.207,111 28.5,110.707 28.5,103.081 29.65,101.931 29.65,96.251 29.652,96.249 29.652,95.501 29.65,95.499 v2(29.65,92.575)
  Bottom Layer w0.7: v2(31.75,114.25) 31.807,114.307 32.475,114.307 35.86,117.693 37.443,117.693 v2(37.5,117.75)
pads on no net: P1.2 P2.1 P2.3 P2.5 Q1.A Q1.B Q1.C Q1.D Q1.E Q1.F Q1.G Q1.H Q1.I Q1.J Q1.K Q1.L Q2.A Q2.B Q2.C Q2.D Q2.E Q2.F Q2.G Q2.H Q2.I Q2.J Q2.K Q2.L Q3.A Q3.B Q3.C Q3.D Q3.E Q3.F Q3.G Q3.H Q3.I Q3.J Q3.K Q3.L Q4.A Q4.B Q4.C Q4.D Q4.E Q4.F Q4.G Q4.H Q4.I Q4.J Q4.K Q4.L SW1.NC U1.7 U3.15 U23.7 U26.7
copper on no net:
  other v2: 14.195,13.813

## Polygon pours and split planes (outlines as drawn)
GND_USB on Top Layer "GND_USB_L01_P-001" (solid, pour order 39): 85.167,122 95.085,122 95.085,105.5 84.835,105.5 83.5,106.835 83.5,120.333
AVSS on Top Layer "AVSS_L01_P-001" (solid, pour order 38): 20.25,118.75 19.25,117.75 19.25,82.625 19.25,76.525 21.34,74.5 29.75,74.5 35.868,80.618 35.868,82.968 39.8,86.9 49.15,86.9 50.75,88.5 50.775,105.775 51.3,106.3 56.55,106.3 59.459,103.391 61.619,103.363 62.632,104.32 65.9,104.32 65.9,107.9 68.747,107.9 68.747,112.228 63.475,117.5 58.275,117.5 48.5,127.25 25.25,127.25 20.25,122.25
+3.6V on Top Layer "3.6V_L01_P-001" (solid, pour order 37): 1.6,104.925 1.6,106.23 1.774,106.432 3.732,106.432 5.575,108.275 7.7,108.275 7.825,108.15 7.825,105.9 6.925,105 6.925,103 6.8,102.875 5.725,102.875 5.6,103 5.6,104.5 5.3,104.8 3.8,104.8 1.725,104.8
GND on Top Layer "GND_L01_P-001" (solid, pour order 41): 0,135 95,135 95,82 69.5,82 64.5,77 35.9,77 29.5,70.6 29.5,68.8 23.7,68.8 21.2,66.3 21.2,55 20.5,54.3 9.5,54.3 9,53.8 9,47.3 9.5,46.8 30.3,46.8 30.3,41.5 24.8,36 9.6,36 8.4,34.8 8.4,28.7 9.2,27.9 12.9,27.9 14.6,26.2 14.6,0 0,0
NetPTC2_2 on Top Layer "NONET_L01_P-001" (solid, pour order 36): 90.4,24.5 90,24.1 90,19.3 88.3,17.6 88.3,14.8 88.7,14.4 91.9,14.4 92.5,15 92.5,17.1 93.8,18.4 93.8,24.2 93.5,24.5
NetPTC1_2 on Top Layer "NONET_L01_P-001" (solid, pour order 35): 72.05,27.25 75.75,27.25 76.25,27.75 79.5,27.75 79.9,27.35 79.9,22.65 79.65,22.4 76.15,22.4 75.65,21.9 72,21.9 71.5,22.4 71.5,26.7
VBUS-_+12V on Top Layer "VBUS-_+12V_L01_P020" (solid, remove dead copper, pour order 20): 80.813,43.113 82.563,43.113 83.438,42.238 85.863,42.238 86.038,42.412 86.038,44.212 84.463,45.788 84.463,47.262 84.2,47.525 82.67,47.525 82.388,47.242 82.388,45.063 81.625,44.3 80.975,44.3 80.813,44.137
VBUS- on Top Layer "VBUS-_L01_P033" (solid, remove dead copper, pour order 33): 66.624,10.538 66.624,4.601 67.05,4.175 68.075,4.175 68.25,4 68.25,1.525 68.648,1.127 81.377,1.127 82.25,2 82.25,10.647 81.411,11.377 67.462,11.377
NetF1_1 on Top Layer "NETF1_1_L01_P032" (solid, remove dead copper, pour order 32): 43,1 52.5,1 53.25,1.75 53.25,11.555 54.75,13.5 54.75,16 53.75,17 44,17 43.275,16.275 43.275,13.607 42.25,12.506 42.25,1.75
V_SW on Top Layer "V_SW_L01_P019" (solid, remove dead copper, pour order 19): 38.1,54.2 38.675,53.625 38.675,50.475 37.8,49.6 31.525,49.6 30.62,48.695 30.62,48.12 29.5,47 9.5,47 9.32,47.18 9.32,53.82 9.5,54 20.75,54 21.5,54.75 21.5,66.125 23.875,68.5 29.5,68.5 29.5,63.533 27.724,63.525 27.715,61.243 29.5,61.243 29.5,55.34 30.64,54.2
AC_PERM on Top Layer "AC_PERM_L01_P031" (solid, pour order 31): 18.4,18 16,15.6 16,12.2 17,11.2 28.8,11.2 30.25,9.75 30.25,2.75 32,1 40.75,1 41.4,1.65 41.4,12.213 40.608,13.005 37.408,13.005 35.858,14.554 35.858,16.408 34.267,18
AC_SW on Top Layer "AC_SW_L01_P030" (solid, pour order 30): 8.75,34.5 9.75,35.5 24.75,35.5 31.5,42.25 32.75,43.5 33.25,43.5 33.25,27.45 34.9,25.8 34.9,19.1 34.3,18.5 18.5,18.5 15.25,21.75 15.25,26.75 13.5,28.5 9.75,28.5 8.75,29.5
AC_N on Top Layer "AC_N_L01_P028" (solid, pour order 28): 33.825,43.5 38.25,43.5 38.25,39.5 39.25,38.5 44.5,38.5 46.25,36.75 46.25,29 44.75,27.5 42,27.5 41.5,27 41.5,19.75 41.5,14.424 40.922,13.8 38.5,13.8 36.7,15.6 36.7,16.7 35,18.4 35,25.7 33.325,27.375 33.325,43
GND on Top Layer "GND_L01_P027" (solid, remove dead copper, pour order 27): 39.5,44.75 45.5,44.75 46.5,43.75 46.5,39.5 45.5,38.5 39.25,38.5 38.25,39.5 38.25,43.5
VBUS+ on Top Layer "VBUS+_L01_P026" (solid, remove dead copper, pour order 26): 31.575,49.25 30.825,48.5 30.825,45.675 31.5,45 45.5,45 46.75,43.75 46.75,37.5 47.75,36.5 57.5,36.5 59.25,38.25 59.25,46 58.5,46.75 56.5,46.75 55.75,47.5 55.75,48.5 40.5,48.5 39.75,49.25
VBUS- on Top Layer "VBUS-_L01_P022" (solid, remove dead copper, pour order 22): 29.887,70.587 29.887,55.445 30.787,54.545 40.037,54.545 40.912,55.42 56.087,55.42 57.162,56.495 58.912,56.495 59.987,57.57 60.01,63.705 61.448,65.132 65.844,65.177 66.959,64.222 66.975,37.025 67.724,36.276 88.974,36.276 90,37.302 90,54 87.993,56.007 77.993,56.007 75.75,58.25 75.75,68.25 69.762,74.238 60.722,74.278 59,76 35.3,76
GND on Top Layer "GND_L01_P018" (solid, remove dead copper, pour order 18): 38.9,54 39.9,54 40.9,55 56.7,55 56.7,55.5 57.2,56 59,56 60.3,57.3 60.3,64.3 61,65 65.75,65 66.5,64.25 66.5,38.4 65.9,37.8 60.5,37.8 60,38.3 60,46 58.7,47.3 56.9,47.3 56.6,47.6 56.6,48.9 40.9,48.9 40.4,49.4 40.4,49.7 40,50.1 38.9,50.1 38.8,50.2 38.8,53.9
AVSS on Bottom Layer "AVSS_L01_P-001" (solid, pour order 34): 20.25,118.75 19.25,117.75 19.275,82.625 19.275,76.502 21.277,74.5 29.75,74.5 35.85,80.6 35.85,82.95 39.9,87 49.25,87 50.75,88.5 50.75,125 48.5,127.25 25.25,127.25 20.25,122.25
AVSS on Bottom Layer "AVSS_L01_P-001" (solid, pour order 42): 67.675,110.95 67.675,110.3 68.45,109.525 68.45,107.55 66.75,107.55 66.375,107.175 66.375,104.25 66.15,104.025 62.525,104.025 61.875,103.375 59.75,103.375 59.275,103.85 59.275,109.887 62.675,113.225 63.05,113.225 65.35,110.925
GND_USB on Bottom Layer "GND_USB_L01_P-001" (solid, pour order 40): 85.137,122 95,122 95,105.5 84.75,105.5 83.5,106.75 83.5,120.363
VBUS- on Bottom Layer "VBUS-_L02_P024" (solid, remove dead copper, pour order 24): 70.75,43.223 70.75,55 71.75,56 83.75,56 88.5,56 90,54.5 90,37.25 89,36.25 75.25,36.25 72.5,39 72.5,41.213
VBUS- on Bottom Layer "VBUS-_L02_P029" (solid, remove dead copper, pour order 29): 66.573,10.509 66.573,1.618 67.099,1.092 81.592,1.092 82.25,1.75 82.25,10.552 81.406,11.397 67.461,11.397
VBUS+ on Bottom Layer "VBUS+_L02_P025" (solid, remove dead copper, pour order 25): 30.825,48.575 31.5,49.25 38,49.25 38.5,48.75 38.5,45.5 37.25,44.25 32.25,44.25 30.825,45.675
V_SW on Bottom Layer "V_SW_L02_P021" (solid, remove dead copper, pour order 21): 38.08,54.22 38.675,53.625 38.675,50.475 37.8,49.6 31.525,49.6 26.65,49.6 21.5,54.75 21.5,66.125 23.875,68.5 29.5,68.5 29.5,55.34 30.62,54.22
VBUS- on Bottom Layer "VBUS-_L02_P023" (solid, remove dead copper, pour order 23): 59.5,69 59.5,75.5 59,76 35.3,76 29.806,70.506 29.806,55.444 30.675,54.575 39.575,54.575 40.525,55.525 40.525,59.033 41.26,59.756 45.748,59.748 46.5,60.5 46.5,66.238 47.998,67.75 58.25,67.75
GND on Bottom Layer "GND_L02_P043" (solid, remove dead copper, pour order 43): 0,0 0,135 95,135 95,0
no net on Top Solder "NONET_L01_P-001" (solid): 73.812,116.85 75.312,116.85 75.312,114.254 73.812,114.254
no net on Top Solder "NONET_L01_P-001" (solid): 39.598,57.731 39.598,60.169 38.073,60.169 38.073,57.731
no net on Top Solder "NONET_L01_P-001" (solid): 11.898,92.931 11.898,95.369 10.373,95.369 10.373,92.931
no net on Top Solder "NONET_L01_P-001" (solid): 54.437,114.65 56.875,114.65 56.875,116.175 54.437,116.175
no net on Top Solder "NONET_L01_P-001" (solid): 36.269,83.819 38.831,86.381 37.731,87.481 35.169,84.919
no net on Top Solder "NONET_L01_P-001" (solid): 28,116.75 31,116.75 31,118.75 28,118.75
no net on Top Solder "NONET_L01_P-001" (solid): 28.4,91.4 28.4,93.4 26.9,93.4 26.9,91.4
no net on Top Solder "NONET_L01_P-001" (solid): 47.6,95.7 47.6,93.7 48.6,93.7 48.6,95.7
no net on Top Solder "NONET_L01_P-001" (solid): 73,93.325 74.5,93.325 74.5,89.25 73,89.25

## Other copper
Top Layer:
  pour cut-out: 82.209,41.809 81.967,41.851 81.967,40.823 82.509,40.823 82.775,40.823 82.775,41.243
  pour cut-out: 41,59.5 46,59.5 46.75,60.25 46.75,66 48.25,67.5 58.5,67.5 59.753,68.753 67.003,68.753 70.5,65.247 70.5,37 69.5,36 75,36 70.76,40.24 70.752,65.498 67.25,69 59.5,69 58.25,67.75 48,67.75 46.5,66.25 46.5,60.5 45.75,59.75 41,59.75
  text "ADD TEARDROPS !!!" at 109.425,12.2 h7 r90
Bottom Layer:
  pour cut-out: 94.9,82 69.5,82 64.5,77 35.9,77 34.9,76 64.9,76 69.9,81 94.9,81
  pour cut-out: 45.1,34.5 45.6,35 52,35 52.4,34.6 52.4,32.1 51.7,31.4 45.6,31.4 45.1,31.9
  pour cut-out: 62.25,37.5 62.75,37 62.75,33 61.75,32 58.75,32 56.25,29.5 56.25,23.75 54,21.5 48.75,21.5 48,22.25 48,23.25 49,24.25 53,24.25 54.5,25.75 54.5,32.75 59.25,37.5
  pour cut-out: 56.25,18 61,22.75 61.5,22.75 61.75,22.5 61.75,13 57.5,8.75 56.75,8.75 56.25,9.25 56.25,10
  pour cut-out: 83.5,14.25 84,13.75 85.75,13.75 92,20 92,27.75 91.25,28.5 89.25,28.5 87.5,26.75 87.5,23.25 83.5,19.25
  pour cut-out: 76,13.5 76.25,13.25 77.25,13.25 77.5,13.5 77.5,20 82.75,25.25 82.75,28 81.5,29.25 78.75,29.25 77.25,27.75 77.25,21.75 76,20.5

## Silkscreen, mask and mechanical layers (free items; w line width, h text height)
Top Overlay:
  circle w0.5: c7,128 r5.5
  circle w0.5: c88,128 r5.5
  circle w0.5: c7,68 r5.5
  circle w0.5: c88,68 r5.5
  circle w0.5: c88,7 r5.5
  circle w0.5: c7,7 r5.5
  lines w0.254: 43.25,132.75 45,132.75 45,133.5 43.25,133.5 43.25,132.75 ; 43.5,130.525 43.75,130.525 43.75,130.75 43.5,130.75 43.5,130.525 ; 43.5,133.025 43.75,133.025 43.75,133.25 43.5,133.25 43.5,133.025 ; 43.525,129.5 43.525,129.75 43.75,129.75 43.75,129.5 43.525,129.5 ; 43.525,132 43.525,132.25 43.75,132.25 43.75,132 43.525,132 ; 44.25,129.25 45,129.25 45,131 44.25,131 44.25,129.25 ; 44.5,129.525 44.75,129.525 44.75,129.75 44.5,129.75 44.5,129.525 ; 44.5,130.525 44.75,130.525 44.75,130.75 44.5,130.75 44.5,130.525 ; 44.5,132.025 44.75,132.025 44.75,132.25 44.5,132.25 44.5,132.025 ; 44.5,133.025 44.75,133.025 44.75,133.25 44.5,133.25 44.5,133.025
  text "Normal" at 45.613,132.284 h0.7
  text "Programming" at 45.613,130.018 h0.7
  text "Vmid" at 37.748,120.927 h0.7 r90
  text "VBUS-" at 27.873,120.427 h0.7 r90
  text "AVDD" at 35.973,118.177 h0.7 r90
  text "Bidirectional Active Rectifier" at 14.725,117.95 h2 r270
  text "i_SP" at 42.277,117.894 h0.7
  text "VBUS+" at 32.748,117.352 h0.7 r90
  text "d_FF" at 43.077,116.794 h0.7
  text "AVSS" at 28.202,115.577 h0.7
  text "v_AC" at 20.631,115.002 h0.7 r90
  text "GND" at 76.246,114.818 h0.7 r90
  text "AVSS" at 54.377,113.677 h0.7
  text "d_COMP" at 45.231,106.377 h0.7 r90
  text "PCB_Temp" at 28.79,103.652 h0.7 r90
  text "Temp" at 27.09,96.577 h0.7 r90
  text "SET" at 72.652,94.952 h0.7
  text "Q" at 71.227,94.027 h0.7
  text "PWM_Carrier" at 47.106,93.577 h0.7 r90
  text "EN" at 70.027,91.477 h0.7
  text "-Err" at 31.323,91.177 h0.7 r90
  text "AVSS" at 29.705,90.489 h0.7 r90
  text "GND" at 75.473,90.302 h0.7 r90
  text "i_PV" at 26.656,89.577 h0.7 r90
  text "Comp Reset" at 61.452,89.21 h0.7
  text "-d_T" at 44.177,88.294 h0.7
  text "AVSS" at 38.25,84.58 h0.7 r45
  text "Shunt" at 29.573,75.027 h0.7 r90
  text "AC 12V RMS" at 61.45,69.25 h2
  text "DC 48V" at 68.25,65.975 h2
  text "300W" at 69.95,62.825 h2
  text "C-" at 46.775,61.45 h2 r90
  text "V-" at 37.873,58.077 h1 r90
  text "Hugo Boyce" at 5.316,51.7 h2 r270
  text "2022-01-24" at 1.35,51.625 h2 r270
  text "C_GND" at 68.817,46.9 h2 r90
  text "C+" at 46.175,39.975 h2 r90
  text "Rev. A" at 1.077,27.498 h0.7 r270
  text "AC_N" at 46.042,22.125 h2 r90
  text "DC+" at 55.45,3.225 h2 r90
  text "DC-" at 71.875,3.225 h2 r90
  text "AC_L" at 23.742,1.271 h2
Mechanical 1:
  the board outline again, w0.1

## Text inside footprints (layer, text, board x,y; h text height)
D1: Top Overlay "K" at 67.5,131.4 h1.02 r90
D2: Top Overlay "K" at 71.25,131.4 h1.02 r90
D3: Top Overlay "K" at 75,131.4 h1.02 r90
D4: Top Overlay "K" at 79,131.4 h1.02 r90
D11: Top Overlay "K" at 9.9,22 h1.02
D12: Top Overlay "K" at 77.9,55.15 h1.02 r180
F1: Top Overlay "FUSE" at 59.254,16.729 h1.52; Top Overlay "6A" at 61.004,14.229 h1.52; Top Overlay "60V DC" at 58.004,11.729 h1.52
K1: Top Overlay "86   +" at 61.129,22.454 h1.52; Top Overlay "85   -" at 61.029,31.454 h1.52
K2: Top Overlay "86   +" at 17.754,13.646 h1.52 r270; Top Overlay "85   -" at 26.754,13.746 h1.52 r270